# Altium PCB 遥控器.PcbDoc (part 3 of 3)
Units mil, origin at the board's own origin, x right, y up, seen from the top; angles counter-clockwise.
Board outline 6000 x 4000 mil, 2 copper layers (Top Layer, Bottom Layer); 65 components, 54 nets, 275 pads, 150 vias.
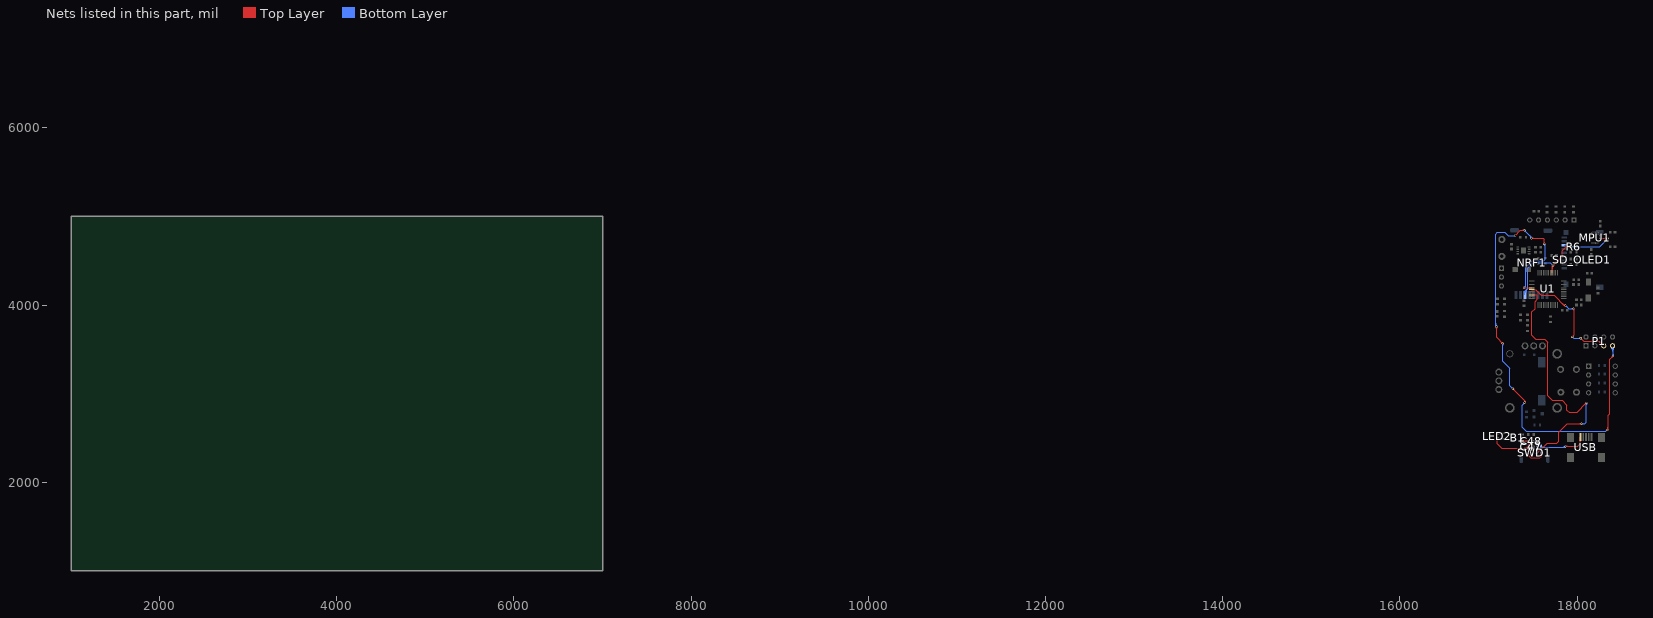
[diagram p3: the nets of this part, all layers, seen from the top]

## Via types
v1: diameter 25, hole 16, Top Layer to Bottom Layer, 148 vias
v2: diameter 59, hole 35, Top Layer to Bottom Layer, 1 vias
v3: diameter 26, hole 16, Top Layer to Bottom Layer, 1 vias

## Nets (pads, with @x,y where several pads share a name; then routed paths per layer and width w, separated by ;. In a path a pad name is that pad's centre, name@x,y a point inside that pad or via, vN(x,y) a via of type N, cw(c..) or ccw(c..) an arc to the next point about the centre after c; other vN are vias at no path point) (continued)
SPI3_SO: MPU1.9 NRF1.6 R6.2 SD_OLED1.7 U1.16 | length 2080.8
  Top Layer w8: U1.16@17717.69,4364.08 17717.69,4437.69 v1(17727.5,4447.5) 17830,4550 17830,4615 17875,4660 v1(17928.5,4660) ; 17717.69,4403.28 cw(c17771.72,4403.28) v1@17733.51,4441.49 ; 17717.69,4422.6 cw(c17752.4,4422.6) v1@17727.85,4447.15 ; v1@17727.5,4456 ccw(c17727.5,4476.52) 17742.01,4462.01 ccw(c17756.52,4447.5) v1@17736,4447.5 ; MPU1.9@18259.06,4752.13 18342.87,4752.13 v1(18345,4750) ; 18319.35,4752.13 cw(c18319.35,4724.35) v1@18338.99,4743.99 ; 18329.61,4752.13 ccw(c18329.61,4765.39) v1@18338.99,4756.01 ; 17907.98,4660 ccw(c17907.98,4680.52) 17922.49,4666.01 cw(c17907.98,4680.52) 17907.98,4660 ; 17907.98,4660 cw(c17907.98,4639.48) 17922.49,4653.99 ccw(c17907.98,4639.48) 17907.98,4660
  Bottom Layer w8: NRF1.6@17410,4114 17410,4155 17440,4185 ; NRF1.6@17415.71,4143.7 cw(c17453.95,4144.85) 17426.9,4171.9 ; NRF1.6@17423.71,4143.94 cw(c17479.38,4145.61) 17440,4185 ; v1@17719,4447.5 ccw(c17698.48,4447.5) 17712.99,4462.01 ccw(c17727.5,4476.52) v1@17727.5,4456 ; v1(17727.5,4447.5) 17695,4480 17505,4480 17440,4415 17440,4185 ; v1(17928.5,4660) 18255,4660 v1(18345,4750) ; v1@17934.51,4653.99 cw(c17949.02,4639.48) 17949.02,4660 cw(c17949.02,4680.52) v1@17934.51,4666.01 ; v1@18336.5,4750 cw(c18315.98,4750) 18330.49,4735.49 cw(c18345,4720.98) v1@18345,4741.5
  Bottom Layer w10: SD_OLED1.7@17856.18,4676.26 17912.24,4676.26 v1(17928.5,4660) ; SD_OLED1.7@17880.11,4670.05 cw(c17895.09,4655.06) 17895.09,4676.26 cw(c17895.09,4697.46) SD_OLED1.7@17880.11,4682.47
SWD_C8: SWD1.3 U1.34 | length 3298
  Top Layer w10: U1.34@17487.37,4114.08 17540.92,4114.08 17550,4105 17550,4065 17525,4040 17525,3960 17490,3925 17490,3660 17535,3615 17635,3615 17670,3580 17670,2975 17720,2925 17830,2925 17885,2870 17885,2815 17910,2790 18000,2790 v1(18105,2895) ; v1(17545,2325) 17660,2440 17770,2440 17795,2465 17795,2565 17890,2660 v1(18050,2660) ; v1@17545,2332.5 ccw(c17545,2350.61) 17557.8,2337.8 ccw(c17570.61,2325) v1@17552.5,2325 ; v1@18044.7,2654.7 ccw(c18031.89,2641.89) 18031.89,2660 ccw(c18031.89,2678.11) v1@18044.7,2665.3 ; v1@18097.5,2895 cw(c18079.39,2895) 18092.2,2882.2 cw(c18105,2869.39) v1@18105,2887.5
  Bottom Layer w10: v1@17539.7,2330.3 ccw(c17526.89,2343.11) 17545,2343.11 ccw(c17563.11,2343.11) v1@17550.3,2330.3 ; SWD1.3@17540.05,2368.12 cw(c17528.1,2356.17) 17545,2356.17 cw(c17561.9,2356.17) SWD1.3@17549.95,2368.12 ; v1(17545,2325) SWD1.3@17545,2394.57 ; v1(18050,2660) 18085,2660 18105,2680 v1(18105,2895) 18105,2814.57 ; v1@18055.3,2654.7 cw(c18068.11,2641.89) 18068.11,2660 cw(c18068.11,2678.11) v1@18055.3,2665.3 ; 18105,2876.89 ccw(c18086.89,2876.89) 18099.7,2889.7 cw(c18086.89,2876.89) 18105,2876.89 ; 18105,2876.89 cw(c18123.11,2876.89) 18110.3,2889.7 ccw(c18123.11,2876.89) 18105,2876.89
UART1_R_1: P1.5 U1.31 | length 1701.6
  Top Layer w10: U1.31@17487.37,4173.13 17531.87,4173.13 17595,4110 17740,4110 17855,3995 ; 17831.59,4018.41 ccw(c17870,4056.82) v1@17870,4002.5 ; 17848.66,4001.34 ccw(c17870,4022.68) v1@17870,3992.5 ; v1(17945,3640) 17970,3665 17970,3950 v1(17960,3960) ; v1@17945,3647.5 ccw(c17945,3665.61) 17957.8,3652.8 ccw(c17970.61,3640) v1@17952.5,3640 ; v1@17954.7,3954.7 cw(c17917.75,3917.75) 17970,3917.75 ; v1@17961.77,3961.77 cw(c17941.89,3941.89) 17970,3941.89 ; v1@18040,3617.5 cw(c18040,3599.39) 18052.8,3612.2 cw(c18065.61,3625) v1@18047.5,3625 ; v1(18040,3625) 18075,3590 18250,3590 P1.5@18300,3540 ; P1.5@18275.47,3540 ccw(c18216.26,3540) 18258.13,3581.87 ccw(c18300,3623.74) P1.5@18300,3564.53 ; P1.5@18285.47,3540 ccw(c18250.4,3540) 18275.2,3564.8 ccw(c18300,3589.6) P1.5@18300,3554.53
  Bottom Layer w10: v1@17870,3987.5 cw(c17870,3969.39) 17882.8,3982.2 cw(c17895.61,3995) v1@17877.5,3995 ; v1(17870,3995) 17905,3960 v1(17960,3960) ; v1(17945,3640) 17960,3625 v1(18040,3625) v1@18045,3625 ; v1@17954.7,3954.7 ccw(c17941.89,3941.89) 17941.89,3960 ccw(c17941.89,3978.11) v1@17954.7,3965.3 ; v1@18034.7,3619.7 ccw(c18021.89,3606.89) 18021.89,3625 ccw(c18021.89,3643.11) v1@18034.7,3630.3
UART1_T_1: P1.7 U1.30 | length 6606.1
  Top Layer w10: v1@17084.7,3749.7 cw(c17071.89,3736.89) 17090,3736.89 cw(c17108.11,3736.89) v1@17095.3,3749.7 ; v1(17090,3755) 17090,3635 v1(17160,3565) ; v1@17152.5,3565 ccw(c17134.39,3565) 17147.2,3577.8 ccw(c17160,3590.61) v1@17160,3572.5 ; v1@17275,3047.5 cw(c17275,3029.39) 17287.8,3042.2 cw(c17300.61,3055) v1@17282.5,3055 ; v1(17275,3055) 17410,2920 v1(17410,2900) ; v1(17300,4785) 17360,4845 v1(17405,4845) ; v1@17399.7,4839.7 ccw(c17386.89,4826.89) 17386.89,4845 ccw(c17386.89,4863.11) v1@17399.7,4850.3 ; v1(17400,4195) 17402.18,4192.82 U1.30@17487.37,4192.82 ; v1@17404.7,2905.3 ccw(c17391.89,2918.11) 17410,2918.11 ccw(c17428.11,2918.11) v1@17415.3,2905.3 ; v1@17405.3,4189.7 cw(c17412.84,4182.16) 17412.84,4192.82 ; v1@17405.3,4200.3 ccw(c17423.37,4218.37) 17423.37,4192.82 ; v1(17485,4755) 17605,4755 ; v1@17490.3,4749.7 cw(c17503.11,4736.89) 17503.11,4755 cw(c17503.11,4773.11) v1@17490.3,4760.3 ; 17570,4755 17605,4755 ; 17595,4755 17605,4755 ; v1@17624.7,4695.3 ccw(c17611.89,4708.11) 17630,4708.11 ccw(c17648.11,4708.11) v1@17635.3,4695.3 ; v1(17630,4690) 17630,4745 17620,4755 17605,4755 ; v1@18334.7,2595.3 ccw(c18297.75,2632.25) 18350,2632.25 ; v1@18341.77,2588.23 ccw(c18321.89,2608.11) 18350,2608.11 ; 18350,2600 18350,2755 18370,2775 18370,3390 v1(18405,3425) ; v1@18397.5,3425 cw(c18379.39,3425) 18392.2,3412.2 cw(c18405,3399.39) v1@18405,3417.5
  Bottom Layer w10: 17080,3773.11 ccw(c17108.11,3773.11) v1@17088.23,3753.23 ; 17080,3797.25 ccw(c17132.25,3797.25) v1@17095.3,3760.3 ; v1@17090,3760 v1@17087.5,3757.5 ; v1@17154.7,3559.7 cw(c17141.89,3546.89) 17160,3546.89 cw(c17178.11,3546.89) v1@17165.3,3559.7 ; v1(17160,3565) 17160,3365 17240,3285 17240,3090 v1(17275,3055) ; v1@17267.5,3055 ccw(c17249.39,3055) 17262.2,3067.8 ccw(c17275,3080.61) v1@17275,3062.5 ; v1(17300,4785) 17220,4785 17185,4820 17100,4820 17080,4800 17080,3765 v1@17087.5,3757.5 ; v1(17400,4195) 17420,4215 17420,4425 17495,4500 17510,4500 ; v1@17400,4202.5 ccw(c17400,4220.61) 17412.8,4207.8 ccw(c17425.61,4195) v1@17407.5,4195 ; v1@17402.5,2900 cw(c17384.39,2900) 17397.2,2887.2 cw(c17410,2874.39) v1@17410,2892.5 ; v1@17405,4837.5 cw(c17405,4819.39) 17417.8,4832.2 cw(c17430.61,4845) v1@17412.5,4845 ; v1(17405,4845) 17485,4765 v1(17485,4755) ; v1(17410,2900) 17380,2870 17380,2620 17425,2575 18325,2575 v1(18340,2590) ; 17465.13,4784.87 cw(c17435.25,4755) v1@17477.5,4755 ; 17482.2,4767.8 cw(c17469.39,4755) v1@17487.5,4755 ; 17520,4500 17510,4500 ; v1@17624.7,4684.7 cw(c17587.75,4647.75) 17640,4647.75 ; v1(17630,4690) 17640,4680 17640,4515 17625,4500 17510,4500 ; v1@17631.77,4691.77 cw(c17611.89,4671.89) 17640,4671.89 ; P1.7@18382.66,3522.66 cw(c18328.71,3468.71) 18405,3468.71 ; P1.7@18389.73,3529.73 cw(c18352.86,3492.86) 18405,3492.86 cw(c18447.14,3492.86) P1.7@18417.34,3522.66 ; v1@18399.7,3430.3 ccw(c18386.89,3443.11) 18405,3443.11 ccw(c18423.11,3443.11) v1@18410.3,3430.3 ; P1.7@18400,3540 18405,3535 v1(18405,3425) ; v1@17087.5,3757.5 17085,3755 v1(17090,3755) v1@17087.5,3757.5
VBUS: B1.4 C47.2 C48.2 LED2.1 SWD1.4 USB.1 | length 2048.1
  Top Layer w10: LED2.1@17092.93,2485.93 cw(c17075.86,2468.86) 17100,2468.86 cw(c17124.14,2468.86) LED2.1@17107.07,2485.93 ; LED2.1@17100,2493 17100,2435 17150,2385 17437.44,2385 ; B1.4@17380,2465.2 17447.37,2465.2 C48.2@17452.5,2460.06 C47.2@17452.5,2400.06 ; 17391.99,2385 ccw(c17391.99,2460.57) 17445.43,2407.14 ccw(c17428.36,2424.21) 17452.5,2424.21 ccw(c17476.64,2424.21) C47.2@17459.57,2407.14 ; B1.4@17393.22,2461.66 cw(c17401.76,2453.13) 17401.76,2465.2 cw(c17401.76,2477.27) B1.4@17393.22,2468.73 ; 17415.97,2465.2 cw(c17415.97,2423.53) 17445.43,2452.99 cw(c17428.36,2435.92) 17452.5,2435.92 cw(c17476.64,2435.92) C48.2@17459.57,2452.99 ; 17416.13,2385 ccw(c17416.13,2436.43) C47.2@17452.5,2400.06 ; 17440.27,2385 ccw(c17440.27,2412.29) 17459.57,2392.99 ccw(c17476.64,2375.92) 17452.5,2375.92 ccw(c17428.36,2375.92) C47.2@17445.43,2392.99 ; C47.2@17442.54,2399.14 cw(c17424.93,2397.51) 17437.44,2385 ; C47.2@17451.58,2390.11 ccw(c17449.95,2372.49) 17437.44,2385 ; v1@17589.7,2319.7 cw(c17576.89,2306.89) 17595,2306.89 cw(c17613.11,2306.89) v1@17600.3,2319.7 ; v1(17595,2325) 17595,2290 17580,2275 17475,2275 17452.5,2297.5 C47.2@17452.5,2400.06 ; v1(17870,2405) 18005,2405 18037.01,2437.01 USB.1@18037.01,2509.06 ; v1@17875.3,2399.7 cw(c17888.11,2386.89) 17888.11,2405 cw(c17888.11,2423.11) v1@17875.3,2410.3 ; USB.1@18033.58,2470.2 cw(c18025.32,2461.93) 18037.01,2461.93 cw(c18048.7,2461.93) USB.1@18040.43,2470.2 ; 17437.44,2385 C47.2@17452.5,2400.06
  Bottom Layer w10: SWD1.4@17589.05,2368.12 cw(c17577.1,2356.17) 17594,2356.17 cw(c17610.9,2356.17) SWD1.4@17598.95,2368.12 ; v1@17589.7,2330.3 ccw(c17579.31,2340.69) 17594,2340.69 ; 17594,2345.52 ccw(c17615.52,2345.52) v1@17600.3,2330.3 ; v1(17595,2325) 17594,2326 SWD1.4@17594,2394.57 17859.57,2394.57 v1(17870,2405) ; SWD1.4@17598.95,2389.62 cw(c17610.9,2377.67) 17610.9,2394.57 cw(c17610.9,2411.47) SWD1.4@17598.95,2399.52 ; 17826.71,2394.57 ccw(c17826.71,2448.29) v1@17864.7,2410.3 ; 17850.85,2394.57 ccw(c17850.85,2424.15) v1@17871.77,2403.23
pads on no net: *U1.9 B1.5 J1.0 MPU1.7 MPU1.19 MPU1.21 NRF1.0 P1.2 P2.3 SD_OLED1.1 SD_OLED1.8 SD_OLED1.9 SWD1.GND U1.2 U1.3 U1.4 U1.42 USB.4 USB.6 USB.7 USB.8 USB.9
copper on no net:
  other v2: 18070,4960

## Polygon pours and split planes (outlines as drawn)
GND on Bottom Layer "Keep-Out Layer-No Net" (hatched 90Degree grid 1 track 8, remove dead copper, pour order 1000): 16759.35,5212.78 16798.48,5175.84 16798.48,2046.55 18419.51,2046.55 18430.69,2036 18464.23,2067.66 18464.23,5255
GND on Top Layer "Keep-Out Layer-No Net" (hatched 90Degree grid 1 track 8, remove dead copper, pour order 1001): 17057.87,5247.58 17057.87,2167.58 17107.87,2117.58 17147.87,2157.58 18547.87,2157.58 18547.87,5277.58 18557.87,5287.58

## Keep-outs
Keep-Out Layer:
  lines w10: 17010,2270 17010,5045 ; 17010,2280 ccw(c17127.5,2282.5) 17130,2165 18380,2165 ccw(c18377.5,2282.5) 18495,2285 ; 17010,5035 cw(c17127.5,5037.5) 17125,5155 ; 17115,5155 18375,5155 cw(c18377.5,5037.5) 18495,5040 18495,2270

## Silkscreen, mask and mechanical layers (free items; w line width, h text height)
Top Overlay:
  lines w10: 16080,5515 18035,5515 18035,6890 16730,6890 16730,5105 16660,5035 ; 17070,3740 18440,3740
  text "+" at 17545,4855 h40
  text "D0" at 17625,4855 h40
  text "RT" at 17835,4850 h40
  text "DC" at 17930,4850 h40
  text "G" at 17040,4725 h40
  text "G" at 18185,3700 h40
  text "P1" at 18285,3700 h40
  text "BAT" at 18135,3435 h40
  text "R" at 18285,3435 h40
  text "T" at 18395,3435 h40
  text "OLDX-Remote_V1.2" at 17270,2210 h40

## Text inside footprints (layer, text, board x,y; h text height)
DET1: Bottom Overlay "+" at 17665,3406 h40 r180
P1: Top Overlay "8" at 18460,3620 h50; Top Overlay "7" at 18460,3520 h50; Top Overlay "1" at 18020,3520 h50; Top Overlay "2" at 18000,3620 h50